# Altium PCB Layout.PcbDoc (part 4 of 4) (continued)
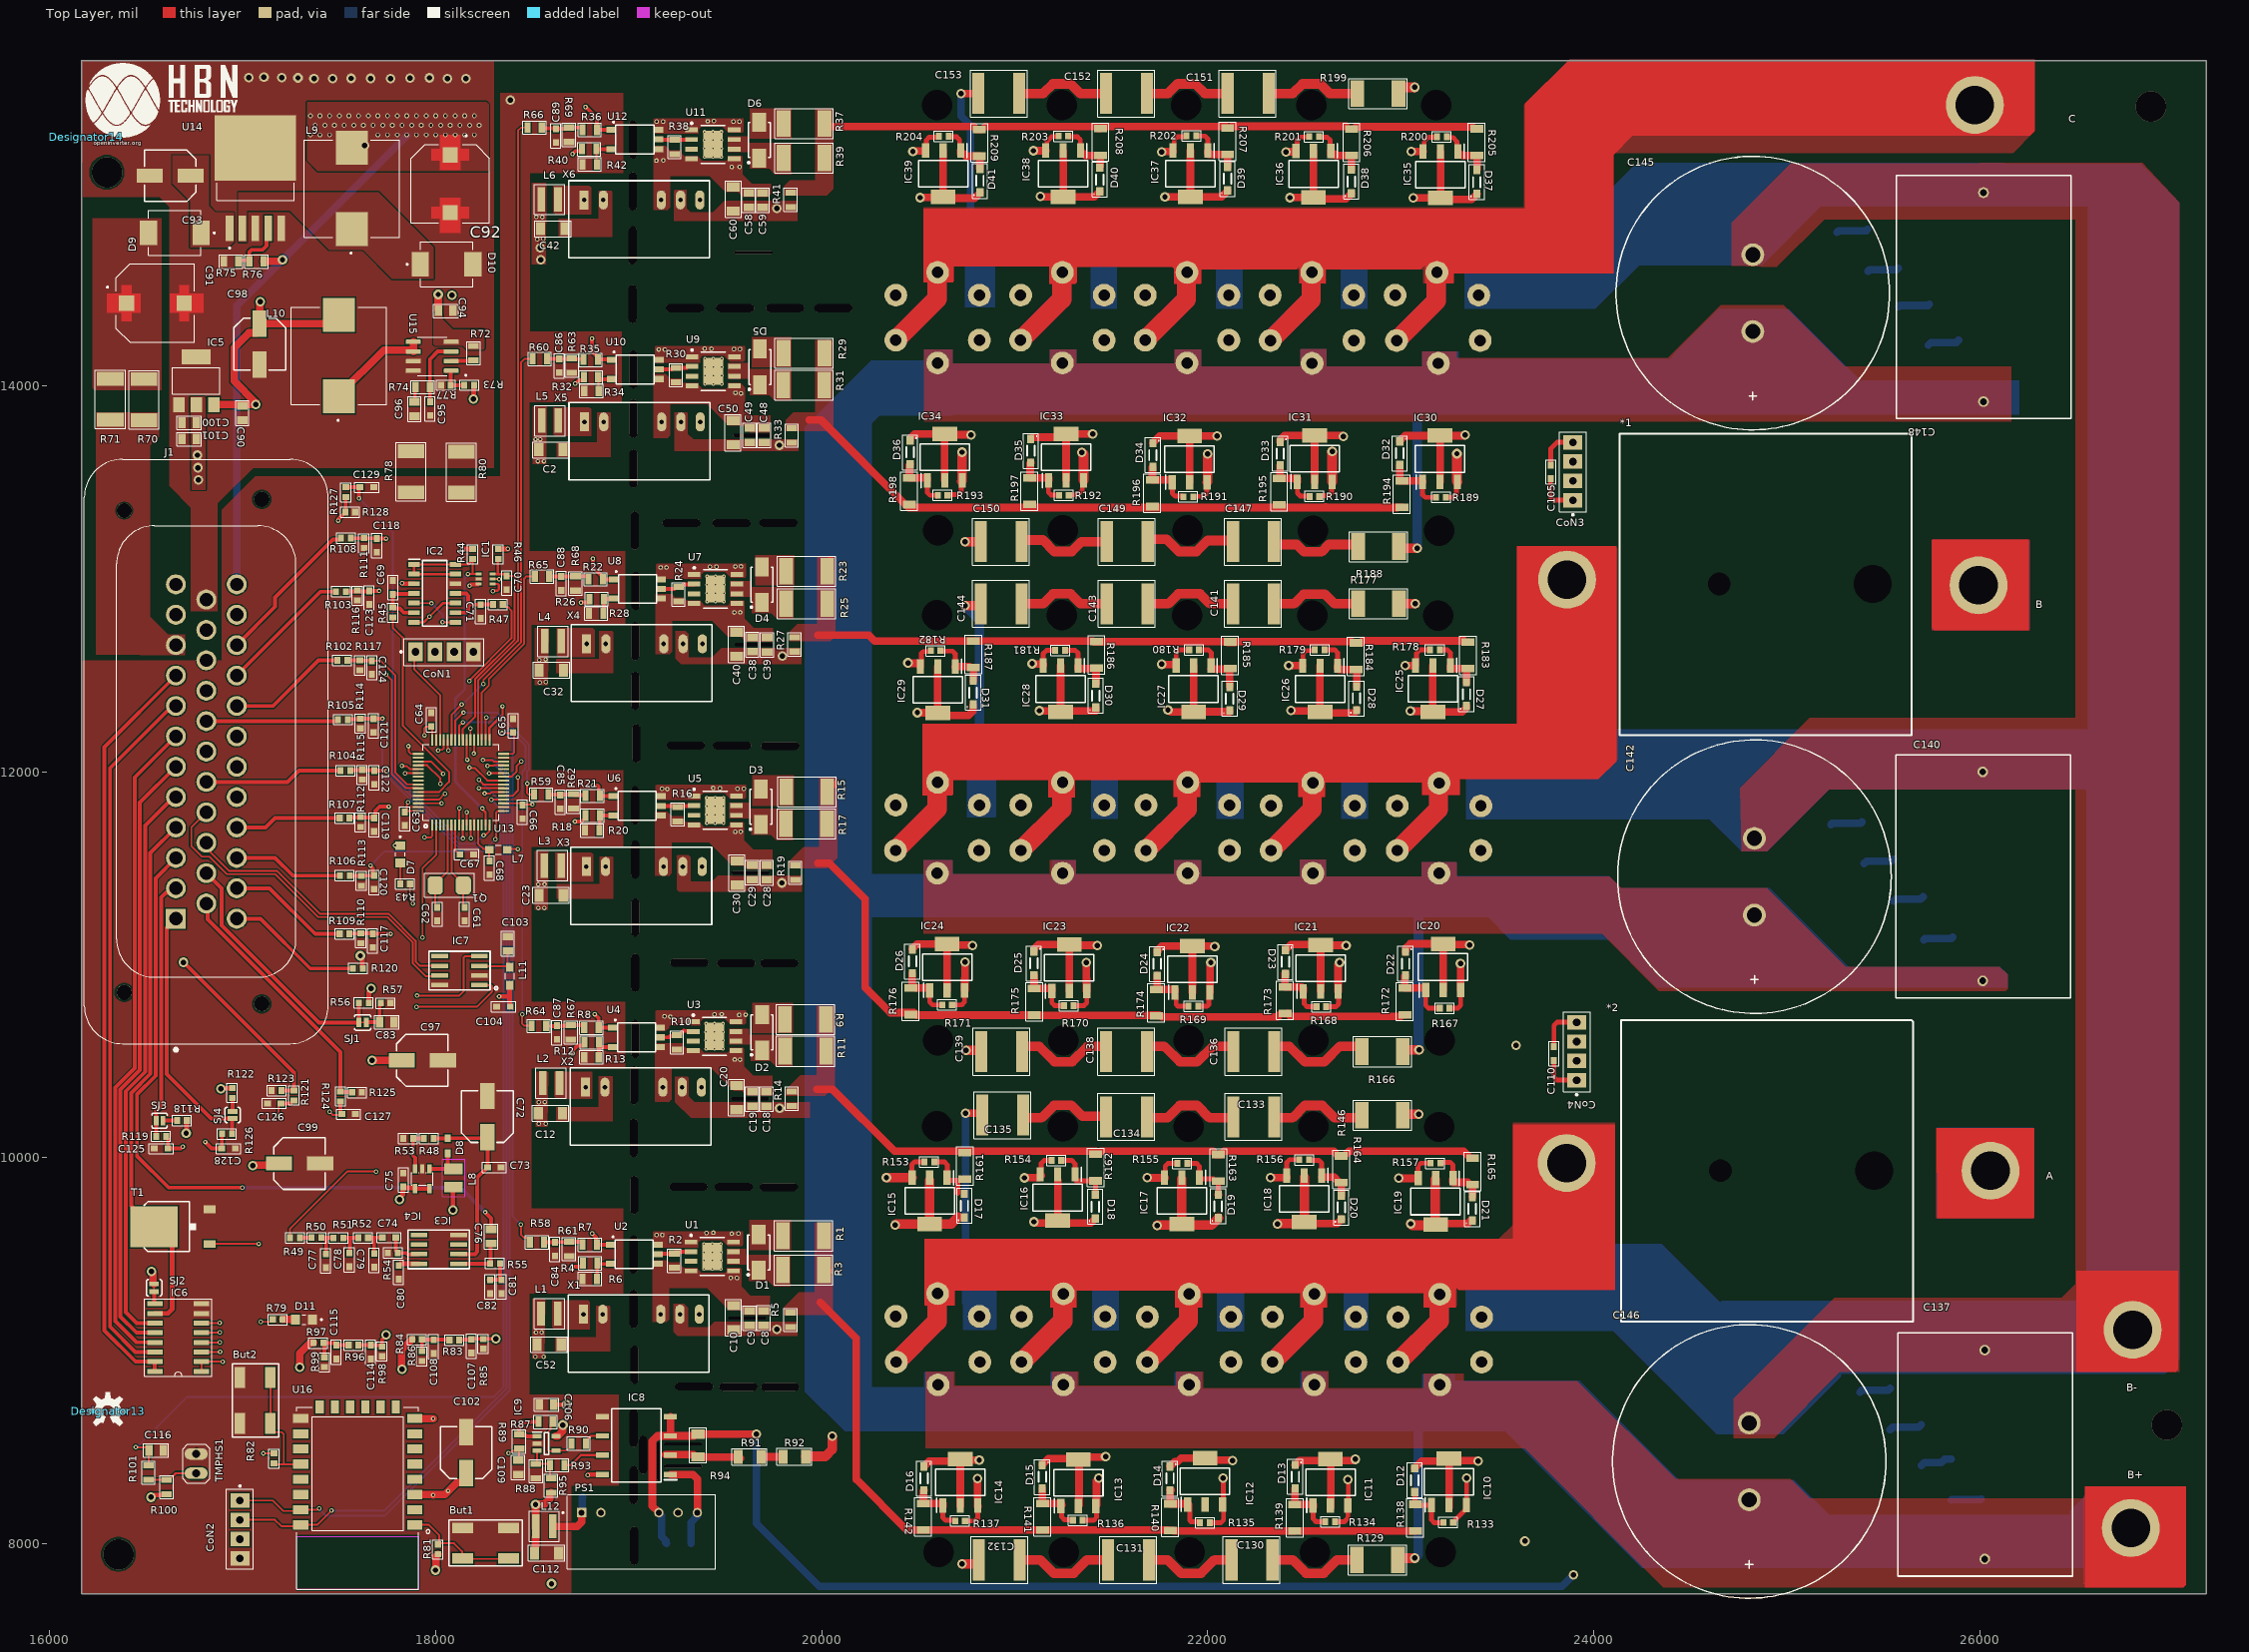
[diagram p0: Top Layer view]
## Polygon pours and split planes (outlines as drawn)
VeeL2 on Top Layer "VEEL2_L01_P026" (solid, pour order 26): 32 vertices, not listed, extent 19129.08,14909.14 19735.4,15243.6
NetC93_1 on Top Layer "NETC93_1_L01_P165" (solid, pour order 165): 16824.59,15193.11 16824.59,14931.68 16858.41,14897.86 16952.76,14897.86 16952.76,14747.43 16953.93,14746.26 16924.99,14717.32 16728.29,14717.32 16728.29,14956.42 16635.92,15048.79 16635.92,15193.11 16816.61,15193.11
HV+ on Top Layer "HV+_L01_P204" (solid, pour order 204): 27 vertices, not listed, extent 20528.93,13814.96 26162.4,14418.31
HV+ on Top Layer "HV+_L01_P202" (solid, pour order 202): 33 vertices, not listed, extent 20527.11,10865.16 26146.65,11544.65
HV+ on Top Layer "HV+_L01_P201" (solid, pour order 201): 29 vertices, not listed, extent 20537.94,7774.61 27052.17,8894.05
HV- on Top Layer "HV-_L01_P200" (solid, pour order 200): 25 vertices, not listed, extent 24713.58,8548.23 27034.45,15158.53
HV- on Top Layer "HV-_L01_P199" (solid, pour order 199): 26624.18,14142.72 27028.29,14142.72 27029.27,14143.7 27029.27,13829.72 26627.13,13829.72 26623.19,13825.79
HV+ on Top Layer "HV+_L01_P198" (solid, pour order 198): 26543.05,8247.8 27063.98,8247.8 27063.98,7792.32 26541.63,7792.32
A on Top Layer "A_L01_P196" (solid, pour order 196): 25777.86,10154.89 26278.84,10154.89 26278.84,9687.37 25778.84,9687.37 25777.86,9688.35
B on Top Layer "B_L01_P195" (solid, pour order 195): 25753.94,13201.77 26254.92,13201.77 26254.92,12734.25 25754.92,12734.25 25753.94,12735.24
C on Top Layer "C_L01_P185" (solid, pour order 185): 32 vertices, not listed, extent 20527.25,14530.22 26279.53,15686.02
B on Top Layer "B_L01_P186" (solid, pour order 186): 28 vertices, not listed, extent 20522.4,11869.33 24123.03,13157.82
A on Top Layer "A_L01_P187" (solid, pour order 187): 28 vertices, not listed, extent 20532.32,9225 24108.27,10182.09
GND on Top Layer "GND_L01_P162" (solid, remove dead copper, pour order 162): 37 vertices, not listed, extent 16165.35,7739.17 18980.32,15516.75
+12V on Top Layer "+12V_L01_P167" (solid, pour order 167): 17333.44,15471.46 18263.33,15471.46 18274.15,15460.64 18274.15,15113.33 17388.82,15113.33 17333.44,15168.7
+3.3V on Top Layer "+3.3V_L01_P170" (solid, pour order 170): 16728.29,13943.82 16800.94,13943.82 16806.84,13937.92 16806.84,13461.68 16735.43,13461.68
GND on Top Layer "GND_L01_P172" (solid, pour order 172): 16165.35,15682.09 16167.32,15684.06 18300.29,15684.06 18300.29,13575.85 17053.34,13575.85 16868.68,13391.19 16868.68,12832.29 16731.85,12832.29 16731.85,13368.6 16619.62,13480.84 16619.62,14928 16569.27,14978.35 16170.28,14978.35
NetC91_1 on Top Layer "NETC91_1_L01_P164" (solid, pour order 164): 16578.83,13979.08 16578.83,14867.72 16220.68,14867.72 16220.68,13989.69 16231.29,13979.08
+12V on Top Layer "+12V_L01_P171" (solid, pour order 171): 17988.19,14423.23 18035.8,14423.23 18035.8,14346.43 18089.91,14292.32 18251.97,14292.32 18251.97,14193.92 18246.26,14188.21 18245.97,14188.5 18161.25,14188.5 18140.36,14209.38 17994.91,14209.38 17988.19,14216.1
NetD10_C on Top Layer "NETD10_C_L01_P166" (solid, pour order 166): 16975.98,14746.26 16977.36,14747.65 16977.36,15002.6 17704.2,15002.6 17988.19,14718.62 17988.19,14554.72 17773.86,14554.72 17623.46,14705.12 17447.77,14705.12 17244.23,14908.66 17020.86,14908.66 17020.86,14746.26
+48V on Top Layer "+48V_L01_P163" (solid, pour order 163): 16700.79,12603.35 16700.79,12711.61 16613.19,12711.61 16519.69,12805.12 16520.45,12805.89 16520.45,13690.73 16565.05,13735.33 16565.05,13863.19 16240.16,13863.19 16240.16,12607.08
NetD6_k on Top Layer "NETD6_K_L01_P000" (solid, pour order 0): 19514.74,15290.93 19514.74,15210.59 19627.34,15210.59 19627.34,15125.19 19728.62,15125.19 19757.65,15096.16 19842.49,15096.16 19842.49,15258.24 19841.4,15259.34 19618.86,15259.34 19618.86,15290.93
L3 on Top Layer "L3_L01_P007" (solid, pour order 7): 20059.82,15437.36 20059.82,15020.68 20026.26,14987.12 19806.95,14987.12 19806.95,15035.87 19835.42,15064.34 19966.98,15064.34 19966.98,15437.36
NetD6_a on Top Layer "NETD6_A_L01_P013" (solid, pour order 13): 19628.3,15437.36 19842.49,15437.36 19842.49,15281.85 19628.3,15281.85
HV- on Top Layer "HV-_L01_P019" (solid, pour order 19): 19873.43,14855.31 19233.74,14855.32 19233.74,15010.48 19238.7,15015.44 19299.42,15015.44 19299.42,14919.74 19320.15,14899.01 19436.82,14899.01 19495.54,14957.74 19873.43,14957.74
VccL2 on Top Layer "VCCL2_L01_P025" (solid, pour order 25): 19129.01,15385.87 19595.12,15385.87 19595.12,15318.92 19588.17,15311.97 19516.5,15311.97 19485.6,15342.87 19376.35,15342.87 19361.67,15328.19 19361.67,15308.51 19134.51,15308.51 19129.08,15313.94
NetC53_2 on Top Layer "NETC53_2_L01_P036" (solid, pour order 36): 18609.6,15037.09 18796.17,15037.09 18805.47,15027.79 18805.47,14887.49 18621.12,14887.49 18609.6,14899.01
GND on Top Layer "GND_L01_P049" (solid, pour order 49): 18637.57,14865.36 18842.87,14865.36 18842.87,15009.5 18914.34,15009.5 18914.34,14773.41 18637.57,14773.41
+12V on Top Layer "+12V_L01_P085" (solid, pour order 85): 18573.39,15050.56 18498.38,15050.56 18498.38,14629.92 18568.77,14629.92
+12V on Top Layer "+12V_L01_P090" (solid, pour order 90): 18566.8,9268.82 18500.97,9268.82 18500.97,8961.44 18563.43,8961.44
+12V on Top Layer "+12V_L01_P088" (solid, pour order 88): 18583.21,11589.04 18512.45,11589.04 18512.45,11286.44 18579.89,11286.44
+12V on Top Layer "+12V_L01_P087" (solid, pour order 87): 18584.75,12744.46 18514.01,12744.46 18514.01,12450.51 18581.53,12450.51
+12V on Top Layer "+12V_L01_P089" (solid, pour order 89): 18581.87,10446.91 18517.04,10446.91 18517.04,10160.63 18578.73,10160.63
+12V on Top Layer "+12V_L01_P086" (solid, pour order 86): 18576.33,13893.62 18502.91,13893.62 18502.91,13595.73 18573.06,13595.73
VeeH on Top Layer "VEEH_L01_P069" (solid, pour order 69): 28 vertices, not listed, extent 19123.5,9148.04 19729.81,9469.3
VeeL on Top Layer "VEEL_L01_P068" (solid, pour order 68): 27 vertices, not listed, extent 19136.98,10288.07 19743.3,10592.51
VeeH1 on Top Layer "VEEH1_L01_P067" (solid, pour order 67): 30 vertices, not listed, extent 19137.26,11458.96 19743.58,11793.42
VeeL1 on Top Layer "VEEL1_L01_P066" (solid, pour order 66): 28 vertices, not listed, extent 19139.4,12607.34 19745.71,12919.85
VeeH2 on Top Layer "VEEH2_L01_P065" (solid, pour order 65): 30 vertices, not listed, extent 19128.29,13727.66 19734.61,14062.11
VccH on Top Layer "VCCH_L01_P064" (solid, pour order 64): 19125.89,9618.03 19592,9618.03 19592,9551.09 19585.05,9544.14 19513.38,9544.14 19482.48,9575.04 19373.23,9575.04 19358.55,9560.36 19358.55,9534.46 19137.61,9534.46 19125.96,9546.11
VccL on Top Layer "VCCL_L01_P063" (solid, pour order 63): 17 vertices, not listed, extent 19139.65,10657.7 19605.76,10764.45
VccH1 on Top Layer "VCCH1_L01_P062" (solid, pour order 62): 19139.66,11933.6 19605.77,11933.6 19605.77,11866.66 19598.81,11859.7 19527.15,11859.7 19496.25,11890.61 19387,11890.61 19372.32,11875.92 19372.32,11856.25 19145.16,11856.25 19139.73,11861.68
VccL1 on Top Layer "VCCL1_L01_P061" (solid, pour order 61): 19141.79,13079.4 19607.9,13079.4 19607.9,13012.46 19600.95,13005.5 19529.28,13005.5 19498.38,13036.41 19389.13,13036.41 19374.45,13021.72 19374.45,13002.05 19147.29,13002.05 19141.86,13007.48
VccH2 on Top Layer "VCCH2_L01_P060" (solid, pour order 60): 19135.47,14206.1 19601.58,14206.1 19601.58,14131.9 19594.63,14124.95 19522.97,14124.95 19492.06,14155.85 19382.82,14155.85 19368.13,14141.17 19368.13,14121.5 19140.97,14121.5 19135.54,14126.92
GND on Top Layer "GND_L01_P054" (solid, pour order 54): 18618.34,9069.88 18832.15,9069.88 18832.15,9232.13 18903.62,9232.13 18903.61,8997.04 18618.34,8997.04
GND on Top Layer "GND_L01_P053" (solid, pour order 53): 18623.24,10262.78 18844.99,10262.78 18844.99,10423.22 18916.46,10423.22 18916.46,10189.95 18623.24,10189.95
GND on Top Layer "GND_L01_P052" (solid, pour order 52): 18626.68,11416.98 18848.43,11416.98 18848.43,11561.12 18919.9,11561.12 18919.9,11344.14 18626.68,11344.14
GND on Top Layer "GND_L01_P051" (solid, pour order 51): 18625.03,12584.34 18846.78,12584.34 18846.78,12728.48 18918.25,12728.48 18918.25,12511.5 18625.03,12511.5
GND on Top Layer "GND_L01_P050" (solid, pour order 50): 18627.4,13706.04 18835.19,13706.04 18835.19,13862.69 18906.66,13862.69 18906.66,13631.24 18627.4,13631.24
NetC3_2 on Top Layer "NETC3_2_L01_P041" (solid, pour order 41): 18602.43,9262.1 18789,9262.1 18798.3,9252.8 18798.3,9112.5 18613.95,9112.5 18602.43,9124.02
NetC13_2 on Top Layer "NETC13_2_L01_P040" (solid, pour order 40): 18613.34,10446.91 18809.21,10446.91 18809.21,10306.61 18624.86,10306.61 18613.34,10318.13
NetC22_2 on Top Layer "NETC22_2_L01_P039" (solid, pour order 39): 18618.71,11581.87 18805.28,11581.87 18814.58,11572.57 18814.58,11432.27 18630.23,11432.27 18618.71,11443.79
NetC33_2 on Top Layer "NETC33_2_L01_P038" (solid, pour order 38): 18626.98,12744.46 18813.55,12744.46 18822.85,12735.16 18822.85,12594.86 18638.5,12594.86 18626.98,12606.38
NetC43_2 on Top Layer "NETC43_2_L01_P037" (solid, pour order 37): 18608.41,13888.98 18794.98,13888.98 18804.28,13879.68 18804.28,13739.38 18619.93,13739.38 18608.41,13750.9
A on Top Layer "A_L01_P024" (solid, pour order 24): 19230.94,9242.13 19230.94,9099.04 19251.8,9078.18 19873.07,9078.18 19873.07,9150.01 19444.11,9150.01 19415.16,9121.06 19306.22,9121.06 19306.22,9222.32 19286.42,9242.13
HV- on Top Layer "HV-_L01_P023" (solid, pour order 23): 19240.18,10419.28 19240.18,10288.73 19321.28,10207.63 19937.2,10207.63 19937.2,10288.89 19340.02,10288.89 19308.89,10320.02 19308.89,10419.28
B on Top Layer "B_L01_P022" (solid, pour order 22): 19248.9,11552.97 19248.9,11390.32 19261.01,11378.21 19897,11378.21 19897,11462.83 19462.42,11462.83 19430.2,11430.61 19318.94,11430.61 19318.94,11558.05 19309.52,11567.46 19248.22,11567.46
HV- on Top Layer "HV-_L01_P021" (solid, pour order 21): 19243.05,12587.48 19270.88,12559.65 19893.47,12559.65 19893.47,12641.48 19479.46,12641.48 19431.32,12593.35 19308.49,12593.35 19308.49,12714.44 19293.87,12729.06 19243.05,12729.06
C on Top Layer "C_L01_P020" (solid, pour order 20): 19237.43,13862.7 19237.43,13663.7 19879.08,13663.7 19879.08,13721.43 19335.49,13721.43 19305.26,13751.66 19305.26,13862.96
NetD1_a on Top Layer "NETD1_A_L01_P018" (solid, pour order 18): 19625.09,9677.06 19839.28,9677.06 19839.28,9521.55 19625.09,9521.55
NetD2_a on Top Layer "NETD2_A_L01_P017" (solid, pour order 17): 19639.95,10803.52 19849.63,10803.52 19849.63,10648.01 19639.95,10648.01
NetD3_a on Top Layer "NETD3_A_L01_P016" (solid, pour order 16): 19640.7,11980.77 19854.89,11980.77 19854.89,11825.26 19640.7,11825.26
NetD4_a on Top Layer "NETD4_A_L01_P015" (solid, pour order 15): 19654.95,13122.74 19857.28,13122.74 19857.28,12967.23 19654.95,12967.23
NetD5_a on Top Layer "NETD5_A_L01_P014" (solid, pour order 14): 19636.88,14252.24 19841.03,14252.24 19841.03,14097.94 19636.88,14097.94
H1 on Top Layer "H1_L01_P012" (solid, pour order 12): 20057.41,9661.23 20057.41,9212.92 20031.18,9186.69 19804.39,9186.69 19804.39,9225.77 19880.61,9302 19964.58,9302 19964.58,9661.23
L1 on Top Layer "L1_L01_P011" (solid, pour order 11): 20066.15,10787.7 20066.15,10371.02 20012.89,10317.76 19813.13,10317.76 19813.13,10352.24 19889.35,10428.46 19973.32,10428.46 19973.32,10787.7
H2 on Top Layer "H2_L01_P010" (solid, pour order 10): 20081.13,11969.65 20081.13,11552.97 20027.87,11499.71 19828.11,11499.71 19828.11,11534.19 19904.33,11610.41 19988.3,11610.41 19988.3,11969.65
L2 on Top Layer "L2_L01_P009" (solid, pour order 9): 20069.54,13118.16 20069.54,12701.48 20044.97,12676.91 19834.42,12676.91 19834.42,12725.64 19873.62,12764.84 19976.7,12764.84 19976.7,13118.16
H3 on Top Layer "H3_L01_P008" (solid, pour order 8): 20058.44,14236.41 20058.44,13793.83 20030.86,13766.24 19813.47,13766.24 19813.47,13823.76 19852.41,13862.7 19965.6,13862.7 19965.6,14236.41
NetD1_k on Top Layer "NETD1_K_L01_P006" (solid, pour order 6): 19508.53,9528.25 19508.53,9447.91 19621.13,9447.91 19621.13,9362.5 19722.41,9362.5 19751.44,9333.47 19836.28,9333.47 19836.28,9495.56 19835.19,9496.65 19606.1,9496.65 19606.1,9528.25
NetD2_k on Top Layer "NETD2_K_L01_P005" (solid, pour order 5): 19519.58,10669.13 19519.58,10588.79 19632.17,10588.79 19632.17,10503.38 19733.46,10503.38 19762.49,10474.35 19847.33,10474.35 19847.33,10636.44 19846.23,10637.54 19623.7,10637.54 19623.7,10669.13
NetD3_k on Top Layer "NETD3_K_L01_P004" (solid, pour order 4): 19522.34,11839.85 19522.34,11759.51 19634.93,11759.51 19634.93,11674.11 19736.22,11674.11 19765.25,11645.08 19850.09,11645.08 19850.09,11807.16 19848.99,11808.26 19626.46,11808.26 19626.46,11839.85
NetD4_k on Top Layer "NETD4_K_L01_P003" (solid, pour order 3): 19524.81,12987.46 19524.81,12907.12 19637.4,12907.12 19637.4,12821.72 19738.69,12821.72 19767.72,12792.69 19852.56,12792.69 19852.56,12954.78 19851.46,12955.87 19628.92,12955.87 19628.92,12987.46
NetD5_k on Top Layer "NETD5_K_L01_P002" (solid, pour order 2): 19514.56,14117.56 19514.56,14037.22 19627.16,14037.22 19627.16,13951.82 19728.44,13951.82 19757.47,13922.79 19842.31,13922.79 19842.31,14084.87 19841.22,14085.97 19618.68,14085.97 19618.68,14117.56
HV+ on Bottom Layer "HV+_L04_P182" (solid, pour order 182): 32 vertices, not listed, extent 20530.06,7774.61 27054.13,8890.12
A on Bottom Layer "A_L04_P197" (solid, pour order 197): 25777.06,10156.74 26276.08,10156.74 26276.08,9690.2 25777.06,9690.2
B on Bottom Layer "B_L04_P194" (solid, pour order 194): 25753.94,13201.77 26252.95,13201.77 26252.95,12735.24 25753.94,12735.24
HV- on Bottom Layer "HV-_L04_P183" (solid, pour order 183): 26 vertices, not listed, extent 20746.1,11588.58 26869.05,12284.45
HV+ on Bottom Layer "HV+_L04_P181" (solid, pour order 181): 31 vertices, not listed, extent 20527.11,10869.09 26143.7,11544.65
HV- on Bottom Layer "HV-_L04_P184" (solid, pour order 184): 27 vertices, not listed, extent 20730.98,8572.6 26129.92,9603.35
HV- on Bottom Layer "HV-_L04_P177" (solid, pour order 177): 38 vertices, not listed, extent 20742.13,8875 27031.5,15154.53
HV+ on Bottom Layer "HV+_L04_P180" (solid, pour order 180): 40 vertices, not listed, extent 19897,8486.96 26218.5,14413.39
+5V on Bottom Layer "+5V_L04_P173" (solid, pour order 173): 22 vertices, not listed, extent 16165.36,7740.27 18814.35,14465.53
+12V on Bottom Layer "+12V_L04_P159" (solid, pour order 159): 18274.15,15172.38 18276.57,15169.96 18276.57,14279.53 17926.28,14279.53 17926.28,15172.38 17354.17,15172.38 17333.44,15193.11 17333.44,15461.55 18576.29,15461.55 18576.29,14631.89 18498.38,14631.89 18498.38,15172.38
GND on Bottom Layer "GND_L04_P152" (solid, pour order 152): 18761.55,15519.7 18836.53,15442.48 18836.53,7967.52 18929,7967.52 18929,15593.64 18851.29,15671.35 16998.42,15671.35 16998.42,15519.7 18363.7,15519.7
HV- on Bottom Layer "HV-_L04_P027" (solid, pour order 27): 19218.65,15097.49 19319.24,15097.49 19319.24,15035.27 19295.26,15011.28 19295.26,14911.11 19238.43,14911.11 19237.62,14911.93 19238.7,14913.01 19238.7,15015.44 19218.01,15036.14
VeeL2 on Bottom Layer "VEEL2_L04_P028" (solid, pour order 28): 19145.14,15177.13 19194.74,15226.73 19281.55,15226.73 19281.55,15177.13
VeeL2 on Bottom Layer "VEEL2_L04_P029" (solid, pour order 29): 19518.49,15211.31 19519.02,15211.85 19591.21,15211.85 19591.21,15122.11 19590.03,15120.93 19589.34,15121.62 19518.49,15121.62
VeeL2 on Bottom Layer "VEEL2_L04_P030" (solid, pour order 30): 19199.34,15258.24 19199.34,14909.14 19131.87,14909.14 19129.01,14911.99 19129.01,15258.24
VccL2 on Bottom Layer "VCCL2_L04_P032" (solid, pour order 32): 23 vertices, not listed, extent 19129.01,14911.52 19598.4,15385.87
NetC53_2 on Bottom Layer "NETC53_2_L04_P042" (solid, pour order 42): 18796.17,15106 18796.17,14913.01 18726.34,14913.01 18726.34,15106
VeeH2 on Bottom Layer "VEEH2_L04_P084" (solid, pour order 84): 19529.73,14035.18 19530.27,14035.72 19602.45,14035.72 19602.45,13945.98 19601.27,13944.8 19600.58,13945.49 19529.73,13945.49
VeeH on Bottom Layer "VEEH_L04_P083" (solid, pour order 83): 19512.44,9453.17 19512.98,9453.71 19585.16,9453.71 19585.16,9363.97 19583.98,9362.79 19583.29,9363.48 19512.44,9363.48
VeeL on Bottom Layer "VEEL_L04_P082" (solid, pour order 82): 19532.19,10583.42 19532.73,10583.96 19604.91,10583.96 19604.91,10494.22 19603.74,10493.04 19603.05,10493.73 19532.19,10493.73
VeeH1 on Bottom Layer "VEEH1_L04_P081" (solid, pour order 81): 19533.77,11761.45 19534.31,11761.99 19606.49,11761.99 19606.49,11672.25 19605.32,11671.08 19604.63,11671.77 19533.77,11671.77
VeeL1 on Bottom Layer "VEEL1_L04_P080" (solid, pour order 80): 19533.6,12903.82 19534.13,12904.36 19606.31,12904.36 19606.31,12814.62 19605.14,12813.45 19604.45,12814.14 19533.6,12814.14
VccH on Bottom Layer "VCCH_L04_P079" (solid, pour order 79): 22 vertices, not listed, extent 19121.93,9141.04 19591.32,9628.46
VccL on Bottom Layer "VCCL_L04_P078" (solid, pour order 78): 23 vertices, not listed, extent 19140.53,10283.56 19609.92,10764.85
VeeH on Bottom Layer "VEEH_L04_P077" (solid, pour order 77): 19191.14,9410.05 19191.25,9409.95 19274.31,9409.95 19274.31,9458.16 19267,9465.47 19191.14,9465.47 19191.14,9494.93 19120.82,9494.93 19120.82,9148.68 19123.68,9145.82 19191.14,9145.82
VeeL on Bottom Layer "VEEL_L04_P076" (solid, pour order 76): 19204.12,10525.75 19204.22,10525.65 19287.29,10525.65 19287.29,10573.87 19279.98,10581.18 19204.12,10581.18 19204.12,10610.64 19133.8,10610.64 19133.8,10264.39 19136.65,10261.53 19204.12,10261.53
VeeH1 on Bottom Layer "VEEH1_L04_P075" (solid, pour order 75): 19203.41,11720.92 19203.51,11720.82 19286.58,11720.82 19286.58,11769.03 19279.26,11776.34 19203.41,11776.34 19203.41,11805.8 19133.09,11805.8 19133.09,11459.55 19135.94,11456.7 19203.41,11456.7
VccH1 on Bottom Layer "VCCH1_L04_P074" (solid, pour order 74): 23 vertices, not listed, extent 19135.44,11455.74 19604.84,11930.09
VccL1 on Bottom Layer "VCCL1_L04_P073" (solid, pour order 73): 23 vertices, not listed, extent 19141.88,12601.54 19611.27,13079.4
VeeL1 on Bottom Layer "VEEL1_L04_P072" (solid, pour order 72): 19212.35,12847.38 19212.45,12847.28 19295.51,12847.28 19295.51,12895.49 19288.2,12902.8 19212.35,12902.8 19212.35,12932.26 19142.03,12932.26 19142.03,12586.01 19144.88,12583.16 19212.35,12583.16
VeeH2 on Bottom Layer "VEEH2_L04_P071" (solid, pour order 71): 19200.01,13981.8 19200.11,13981.7 19283.17,13981.7 19283.17,14029.91 19275.86,14037.22 19200.01,14037.22 19200.01,14066.68 19129.68,14066.68 19129.68,13720.43 19132.54,13717.58 19200.01,13717.58
VccH2 on Bottom Layer "VCCH2_L04_P070" (solid, pour order 70): 23 vertices, not listed, extent 19135.21,13733.39 19604.6,14207.74
A on Bottom Layer "A_L04_P059" (solid, pour order 59): 19219.61,9327.8 19320.2,9327.8 19320.2,9265.57 19296.21,9241.59 19296.21,9141.42 19239.39,9141.42 19238.58,9142.23 19239.66,9143.31 19239.66,9245.75 19218.96,9266.44
HV- on Bottom Layer "HV-_L04_P058" (solid, pour order 58): 19232.44,10492.16 19333.03,10492.16 19333.03,10429.93 19309.05,10405.94 19309.05,10305.78 19252.22,10305.78 19251.41,10306.59 19252.49,10307.67 19252.49,10410.11 19231.8,10430.8
B on Bottom Layer "B_L04_P057" (solid, pour order 57): 19232.28,11639.33 19332.88,11639.33 19332.88,11577.11 19308.89,11553.12 19308.89,11452.95 19252.07,11452.95 19251.25,11453.77 19252.33,11454.85 19252.33,11557.28 19231.64,11577.98
HV- on Bottom Layer "HV-_L04_P056" (solid, pour order 56): 19230.21,12789.98 19330.8,12789.98 19330.8,12727.75 19306.81,12703.76 19306.81,12603.59 19249.99,12603.59 19249.18,12604.41 19250.26,12605.49 19250.26,12707.93 19229.56,12728.62
C on Bottom Layer "C_L04_P055" (solid, pour order 55): 19220.99,13948.33 19321.59,13948.33 19321.59,13886.1 19297.6,13862.12 19297.6,13761.95 19240.78,13761.95 19239.96,13762.76 19241.04,13763.84 19241.04,13866.28 19220.35,13886.97
NetC3_2 on Bottom Layer "NETC3_2_L04_P047" (solid, pour order 47): 18794.06,9332.25 18794.06,9139.26 18724.24,9139.26 18724.24,9332.25
NetC13_2 on Bottom Layer "NETC13_2_L04_P046" (solid, pour order 46): 18795.97,10517.33 18795.97,10324.34 18726.14,10324.34 18726.14,10517.33
NetC22_2 on Bottom Layer "NETC22_2_L04_P045" (solid, pour order 45): 18815.52,11648.49 18815.52,11455.5 18745.7,11455.5 18745.7,11648.49
NetC33_2 on Bottom Layer "NETC33_2_L04_P044" (solid, pour order 44): 18802.4,12802.67 18802.4,12609.68 18732.57,12609.68 18732.57,12802.67
NetC43_2 on Bottom Layer "NETC43_2_L04_P043" (solid, pour order 43): 18797.51,13947.12 18797.51,13754.13 18727.69,13754.13 18727.69,13947.12
+12V on Mid 1 "+12V_L02_P151" (solid, pour order 151): 18560.5,15044.37 18581.53,15023.34 18581.53,8939.96 18493.11,8939.96 18498.38,8945.23 18498.38,15043.5
HV+ on Mid 2 "HV+_L03_P193" (solid, pour order 193): 50 vertices, not listed, extent 19904.44,7774.61 26946.85,14117.56
HV+ on Mid 2 "HV+_L03_P192" (solid, pour order 192): 33 vertices, not listed, extent 20527.11,10865.16 26146.65,11544.65
HV+ on Mid 2 "HV+_L03_P191" (solid, pour order 191): 27 vertices, not listed, extent 20528.93,13786.42 26162.4,14418.31
B on Mid 2 "B_L03_P189" (solid, pour order 189): 28 vertices, not listed, extent 20525.72,11868.49 24116.14,13173.23
A on Mid 2 "A_L03_P188" (solid, pour order 188): 31 vertices, not listed, extent 20532.32,9225 24116.14,10182.09
C on Mid 2 "C_L03_P190" (solid, pour order 190): 32 vertices, not listed, extent 20526.71,14527.94 26274.61,15686.02
+3.3V on Mid 2 "+3.3V_L03_P174" (solid, pour order 174): 16179.13,13674.81 18338.67,13674.81 18338.67,13444.22 18514.01,13268.88 18514.01,7741.98 16167.06,7741.98 16165.36,7743.69 16179.13,7757.47

## Other copper
Top Layer:
  region net HV+: 26544.45,8297.93 27068.68,8297.93 27068.68,7788.09 27054.9,7774.31 27054.14,7775.07 26544.45,7775.07
  region net HV-: 26502.35,9413.39 27026.57,9413.39 27026.57,8903.54 27012.8,8889.76 27012.04,8890.52 26502.35,8890.52
  region net A: 25777.56,10154.53 25777.92,10154.89 26278.84,10154.89 26278.84,9687.37 25778.84,9687.37
  region net B: 25753.94,13201.77 26252.95,13201.77 26252.95,12735.24 25764.76,12735.24 25754.92,12745.08
  region net B: 23602.36,12248.03 23602.36,13168.31 24116.14,13168.31 24116.14,12054.13 24024.61,11962.6 23305.12,11962.6 23305.12,11882.07 23304.19,11881.14 23109.99,11881.14 23109.99,11944.43 22606.06,11944.43 22606.06,11870.71 22469.25,11870.71 22469.25,11944.43 21960.39,11944.43 21960.39,11870.71 21821.99,11870.71 21821.99,11954.04 21825.31,11957.36 21824.47,11958.21 21309.8,11958.21 21309.8,11869.33 21173.97,11869.33 21173.97,11958.21 21173.13,11957.36 20681.24,11957.36 20681.24,11884.47 20674.96,11878.19 20523.38,11878.19 20522.4,11912.93 20522.4,12248.03
  region net C: 23644.69,15461.61 23873.03,15689.96 26284.45,15689.96 26284.45,15320.87 26259.84,15296.26 24200.09,15296.26 24101.38,15197.55 24101.38,14584.65 23273.86,14584.65 23273.86,14534.29 23271.16,14531.6 23127.34,14531.6 23127.34,14622.66 23124.02,14625.98 23101.07,14603.03 22610.37,14603.03 22610.37,14529.31 22608.09,14531.6 22474.1,14531.6 22474.1,14618.01 22473.01,14619.09 22456.95,14603.03 21964.7,14603.03 21964.7,14532.13 21965.24,14531.6 21962.96,14529.31 21826.3,14529.31 21826.3,14607.07 21816.55,14616.81 21322.38,14616.81 21322.38,14537.96 21314.65,14530.22 21178.82,14530.22 21178.82,14619.09 20682.76,14619.09 20682.76,14542.03 20678.82,14538.09 20527.25,14538.09 20528.23,14543.12 20528.23,14915.96 23644.69,14915.96
  region net A: 23580.71,9578.74 23580.71,10171.26 24108.27,10171.26 24108.27,9315.94 23300.2,9315.94 23290.35,9325.79 23283.02,9318.45 23283.02,9226.38 23119.92,9226.38 23119.92,9300.1 22615.99,9300.1 22615.99,9226.38 22479.17,9226.38 22479.17,9300.1 21970.32,9300.1 21970.32,9226.38 21831.91,9226.38 21831.91,9313.88 21319.73,9313.88 21319.73,9225 21183.9,9225 21183.9,9313.88 20687.84,9313.88 20687.84,9236.81 20541.75,9236.81 20537.96,9233.02 20533.31,9237.67 20533.31,9578.74
Bottom Layer:
  region net HV+: 20256.38,14129.92 20516.52,14129.92 20518.01,14128.43 20528.93,14139.35 20528.93,14187.89 20678.53,14187.89 20678.53,13846.49 20299.42,13846.49 20257.87,13804.95 20257.87,11469.55 20523.38,11469.55 20527.11,11473.28 20527.11,11543.27 20676.72,11543.27 20676.72,11469.55 21193.66,11469.55 21195.69,11471.57 21195.69,11543.27 21317.46,11543.27 21317.46,11469.55 21826.32,11469.55 21826.32,11543.27 21964.72,11543.27 21964.72,11455.77 22476.91,11455.77 22476.91,11544.65 22612.74,11544.65 22612.74,11455.77 23108.8,11455.77 23108.8,11532.79 23288.39,11532.79 23290.36,11530.81 23290.36,11458.71 24081.1,11458.71 24142.18,11397.64 24910.43,11397.64 25319.88,10988.19 26104.33,10988.19 26143.7,10948.82 26143.7,10881.89 25292.32,10881.89 24327.53,10881.89 24077.53,11131.89 23566.93,11131.89 23452.23,11246.59 20257.87,11246.59 20257.87,8810.79 20530.06,8810.79 20530.06,8888.74 20679.67,8888.74 20679.67,8815.02 21183.6,8815.02 21183.6,8888.74 21320.42,8888.74 21320.42,8815.02 21829.27,8815.02 21829.27,8888.74 21967.68,8888.74 21967.68,8801.24 22479.86,8801.24 22479.86,8890.12 22615.69,8890.12 22615.69,8801.24 23111.75,8801.24 23111.75,8878.31 23279.21,8878.31 23281.11,8876.41 23279.21,8874.5 23279.21,8845.68 23926.39,8845.68 24440.37,8331.69 25037.9,8331.69 25219.98,8149.61 26467.52,8149.61 26467.52,8169.38 26545.94,8247.8 26961.61,8247.8 26961.61,7882.87 26969.49,7875 24248.03,7875 23540.35,8582.68 20119.09,8582.68 19912.99,8788.78 19912.99,13786.52
  region net A: 25777.06,10156.74 26276.08,10156.74 26276.08,9690.13 26277.86,9688.35 25777.86,9688.35
  region net B: 25753.94,13201.77 26252.95,13201.77 26254.92,13199.8 26254.92,12734.25 25754.92,12734.25
  region net HV-: 26125,15148.62 26824.8,15148.62 26830.71,15154.53 27034.45,14950.79 27034.45,8955.59 26960.74,8881.89 25281.5,8881.89 25281.5,8865.16 24984.25,8567.91 24635.66,8567.91 24098.6,9104.97 23336.41,9104.97 23336.41,9376.97 22832.48,9376.97 22832.48,9106.27 22703.91,9106.27 22703.91,9368.72 22695.67,9376.97 22186.81,9376.97 22186.81,9100.22 22048.41,9100.22 22048.41,9376.97 21538.53,9376.97 21538.53,9107.57 21537.23,9106.27 21400.39,9106.27 21400.39,9376.97 20904.33,9376.97 20904.33,9115.55 20897.64,9108.87 20896.66,9109.85 20730.98,9109.85 20730.98,9561.02 20737.87,9554.13 24352.36,9554.13 24654.53,9251.97 24662.4,9259.84 26552.17,9259.84 26552.17,11902.56 26544.29,11910.43 25219.72,11910.43 25219.72,11907.71 24900.59,11588.58 24765.48,11588.58 24596.44,11757.62 24592.59,11753.76 23338.58,11753.76 23338.58,12011.85 23333.7,12016.73 22829.76,12016.73 22829.76,11757.62 22692.95,11757.62 22692.95,12016.73 22184.1,12016.73 22184.1,11757.62 22045.69,11757.62 22045.69,12016.73 21533.5,12016.73 21533.5,11756.24 21397.68,11756.24 21397.68,12016.73 20901.61,12016.73 20901.61,11768.05 20897.82,11764.26 20751.74,11764.26 20751.74,12212.87 20747.09,12217.52 20750.04,12220.47 26561.02,12220.47 26561.02,14925.2 26562.99,14927.17 26560.92,14929.24 26125,14929.24 25175.03,14928.97 24872.05,14625.98 24235.24,14625.98 24009.25,14400 23329.72,14400 23329.72,14665.35 22825.79,14665.35 22825.79,14400 22688.98,14400 22688.98,14665.35 22180.12,14665.35 22180.12,14400 22041.72,14400 22041.72,14665.35 21529.53,14665.35 21529.53,14398.62 21393.7,14398.62 21393.7,14665.35 20897.64,14665.35 20897.64,14406.5 20742.13,14406.5 20743.11,14407.48 20743.11,14854.33 23921.79,14854.33 24221.99,15154.53 26125,15154.53
  region net HV+: 23300.43,14177.46 23300.43,14138.93 24396.8,14138.93 24425.49,14177.46 24644.68,14396.65 25011.81,14396.65 25380.91,14027.56 26202.76,14027.56 26202.76,13852.36 20528.93,13852.36 20528.93,14187.89 20678.53,14187.89 20678.53,14114.17 21182.47,14114.17 21182.47,14187.89 21319.28,14187.89 21319.28,14114.17 21828.14,14114.17 21828.14,14187.89 21966.54,14187.89 21966.54,14100.39 22478.73,14100.39 22478.73,14189.27 22614.56,14189.27 22614.56,14100.39 23110.62,14100.39 23110.62,14177.46

## Silkscreen, mask and mechanical layers (free items; w line width, h text height)
Top Overlay:
  drawing of 15 lines, arcs and shapes, not listed
  text "C" at 26458.76,15363.28 h40
  text "B" at 26287.87,12846.99 h40
  text "A" at 26342.61,9887.89 h40
  text "B-" at 26759.78,8791.43 h40
  text "B+" at 26765.78,8337.46 h40
Mechanical 1:
  the board outline again, w10

## Text inside footprints (layer, text, board x,y; h text height)
Designator14: Top Overlay "openinverter.org" at 16226.38,15249.02 h20.4